# KiCad board SparkFun_GNSS_DAN-F10N_panelized.kicad_pcb (continued)
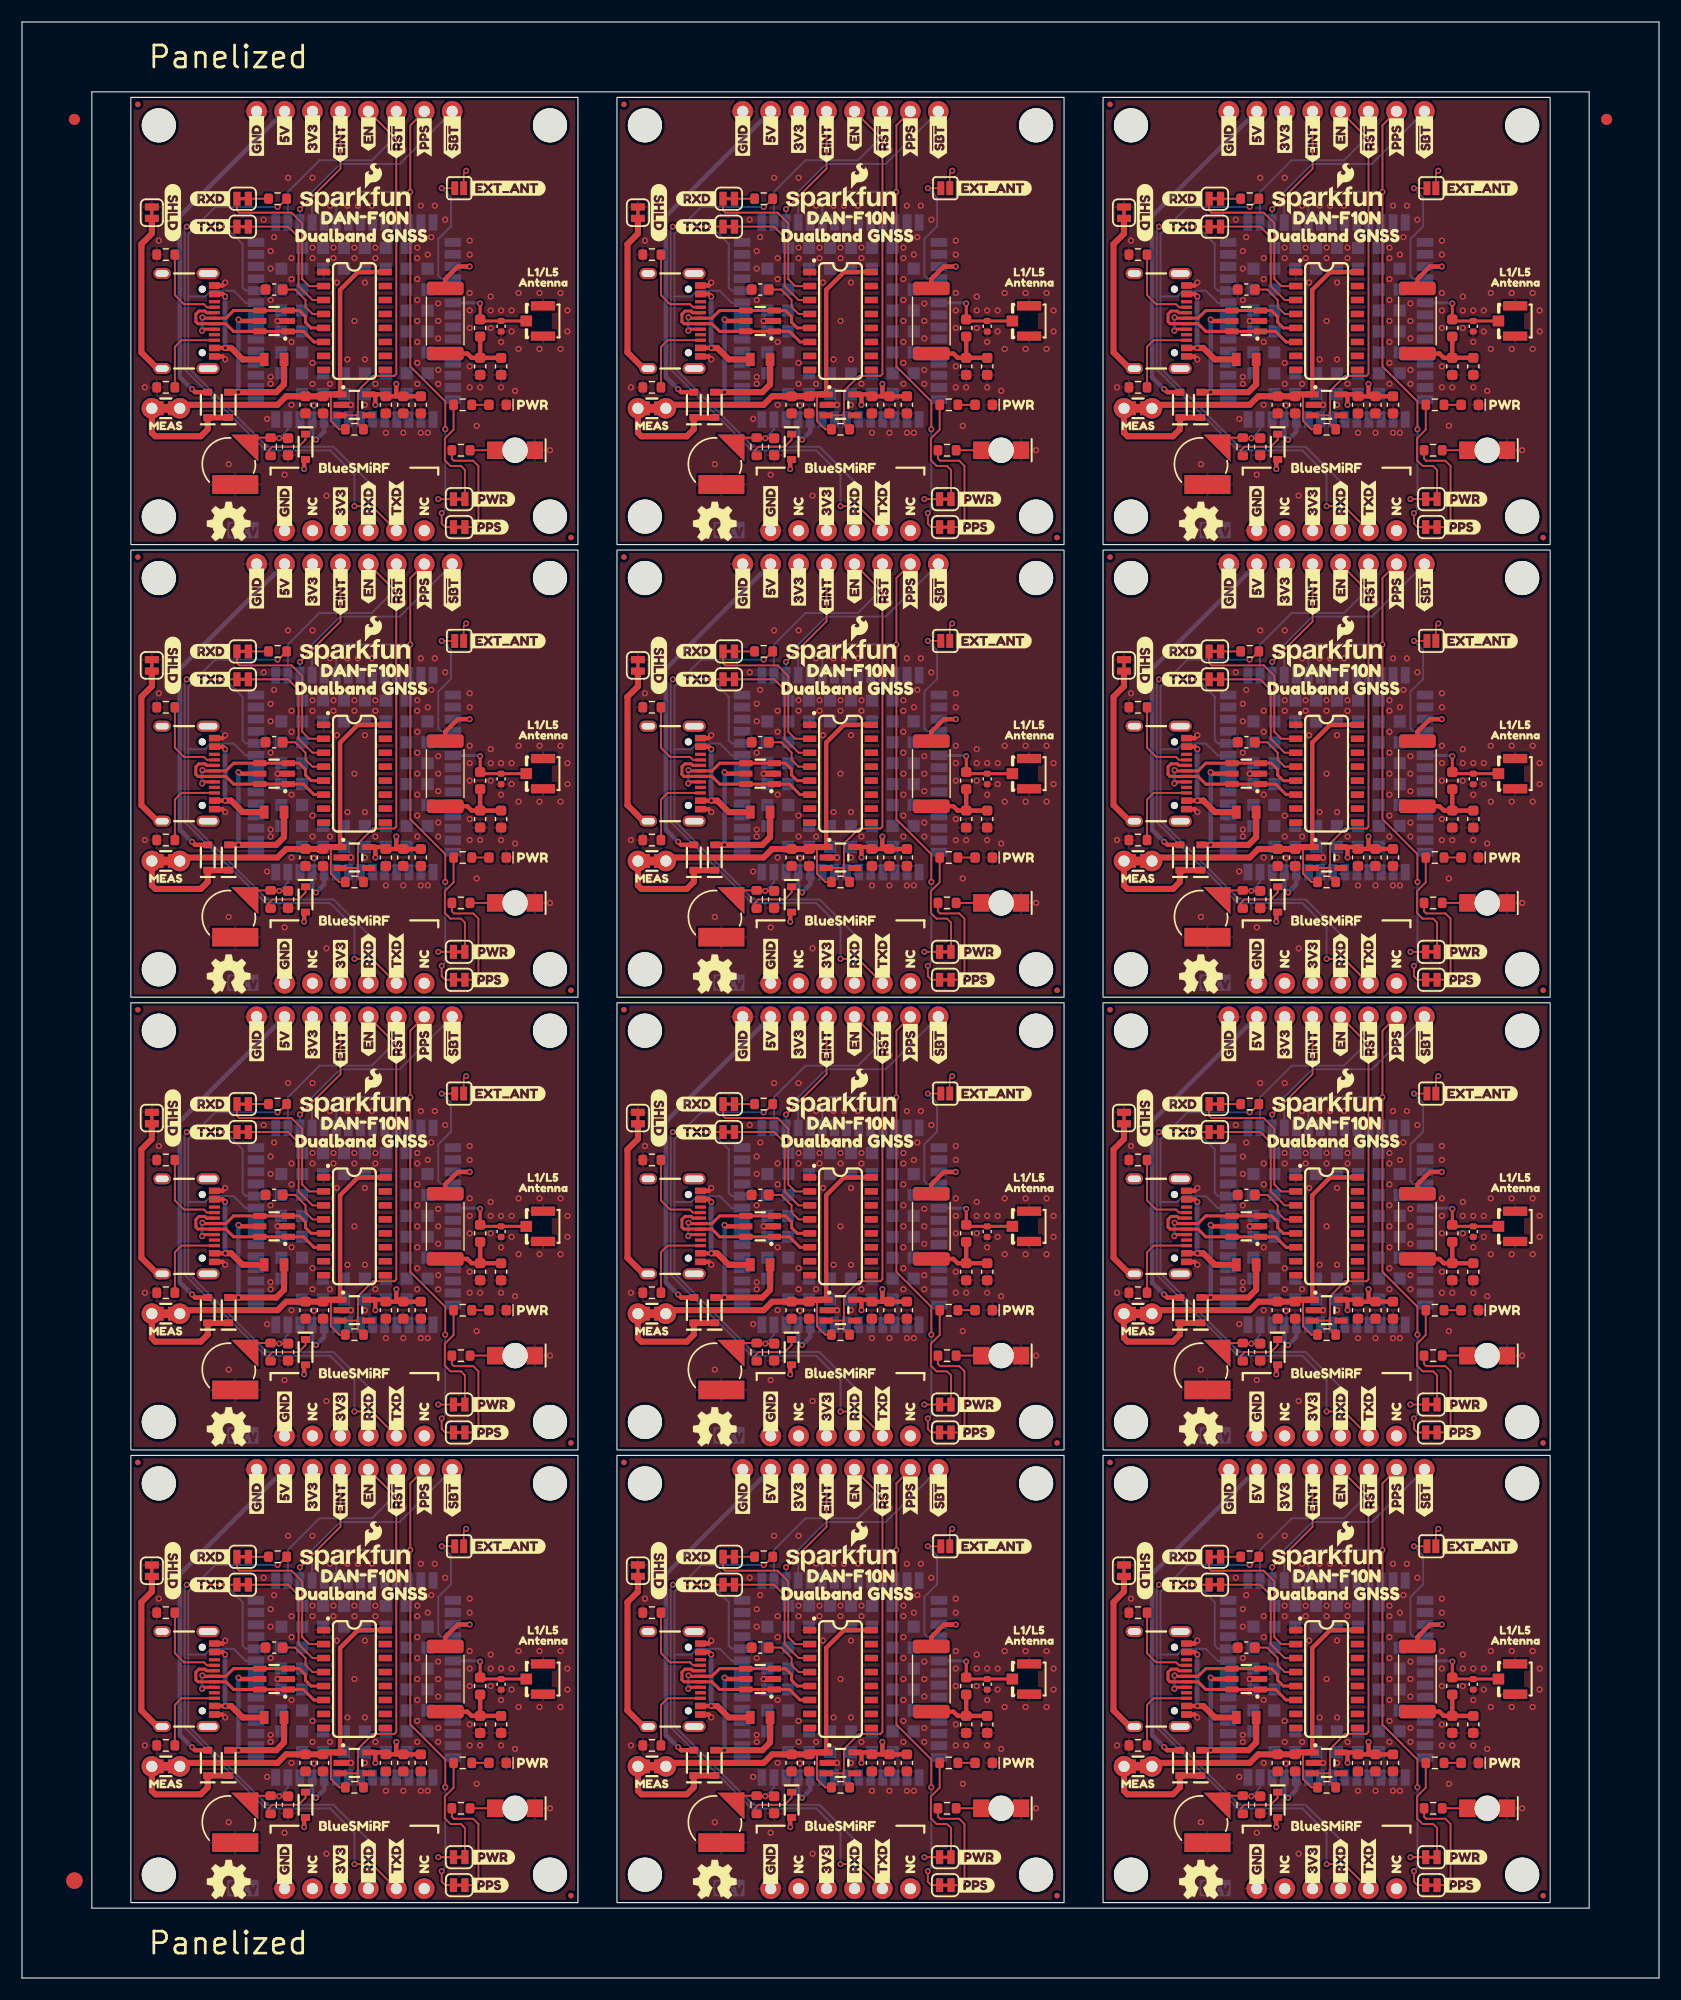
[diagram p0: board, top side]
## Library data of the parts (continued)
R3 R7 = -: Datasheet: https://www.vishay.com/docs/20035/dcrcwe3.pdf; Description: Resistor; PROD_ID: RES-07856; ki_fp_filters: R_*
R3#2-R3#12 R7#2-R7#12 = -: Datasheet: https://www.vishay.com/docs/20035/dcrcwe3.pdf; Description: Resistor; PROD_ID: RES-07856
R4 R4#2-R4#11 = -: Datasheet: https://www.vishay.com/docs/20035/dcrcwe3.pdf; Description: Resistor; PROD_ID: RES-07857
R4#12 = -: Datasheet: https://www.vishay.com/docs/20035/dcrcwe3.pdf; Description: Resistor; PROD_ID: RES-07857; ki_fp_filters: R_*
R5 R5#2-R5#11 = -: Datasheet: https://www.vishay.com/docs/20035/dcrcwe3.pdf; Description: Resistor; PROD_ID: RES-00818
R5#12 = -: Datasheet: https://www.vishay.com/docs/20035/dcrcwe3.pdf; Description: Resistor; PROD_ID: RES-00818; ki_fp_filters: R_*
R6 R6#3-R6#12 = -: Datasheet: https://www.seielect.com/catalog/sei-rmcf_rmcp.pdf; Description: Resistor; PROD_ID: RES-25932; Power: 1W
R6#2 = -: Datasheet: https://www.seielect.com/catalog/sei-rmcf_rmcp.pdf; Description: Resistor; PROD_ID: RES-25932; Power: 1W; ki_fp_filters: R_*
R12 R12#2-R12#11 = -: Datasheet: https://www.vishay.com/docs/20035/dcrcwe3.pdf; Description: Resistor; PROD_ID: RES-07828
R12#12 = -: Datasheet: https://www.vishay.com/docs/20035/dcrcwe3.pdf; Description: Resistor; PROD_ID: RES-07828; ki_fp_filters: R_*
ST1 ST2#12 ST3#3 ST4#12 = -: Description: Drill holes for mechanically mounting via screws, standoffs, etc.; ki_fp_filters: Fiducial*
ST1#2-ST1#12 ST2 ST2#2-ST2#11 ST3 ST3#2 ST3#4-ST3#12 ST4 ST4#2-ST4#11 = -: Description: Drill holes for mechanically mounting via screws, standoffs, etc.
U1 = -: Datasheet: https://www.diodes.com/assets/Datasheets/DT1042-04SO.pdf; Description: Very low capacitance ESD protection diode, 4 data-line, SOT-23-6; PROD_ID: IC-13538; Rating: 5VWM/9VC; ki_fp_filters: SOT?23*
U1#2-U1#12 = -: Datasheet: https://www.diodes.com/assets/Datasheets/DT1042-04SO.pdf; Description: Very low capacitance ESD protection diode, 4 data-line, SOT-23-6; PROD_ID: IC-13538; Rating: 5VWM/9VC
U3 = -: Datasheet: https://www.richtek.com/SaveDownload.aspx?specid=RT9080; Description: 600mA low dropout linear regulator, with enable pin, 3.8V-6V input voltage range, 3.3V fixed positive output, SOT-23-5; PROD_ID: VREG-19034; VMax: 5.5V; Imax: 600mA; Iq: 4µA; IMax: 600mA; ki_fp_filters: SOT?23?5*
U3#2-U3#12 = -: Datasheet: https://www.richtek.com/SaveDownload.aspx?specid=RT9080; Description: 600mA low dropout linear regulator, with enable pin, 3.8V-6V input voltage range, 3.3V fixed positive output, SOT-23-5; PROD_ID: VREG-19034; VMax: 5.5V; Imax: 600mA; Iq: 4µA; IMax: 600mA
U4 = -: Datasheet: https://datasheet.lcsc.com/szlcsc/Jiangsu-Qin-Heng-CH340C_C84681.pdf; Description: USB serial converter, UART, SOIC-16; PROD_ID: IC-14038; ki_fp_filters: SOIC*3.9x9.9mm*P1.27mm*
U4#2-U4#12 = -: Datasheet: https://datasheet.lcsc.com/szlcsc/Jiangsu-Qin-Heng-CH340C_C84681.pdf; Description: USB serial converter, UART, SOIC-16; PROD_ID: IC-14038
U6 U6#2-U6#12 = -: Description: u-blox Dualband L1/L5 GNSS Receiver; PROD_ID: IC-25933

## Footprints (pads in the part's own frame, mm; a bottom-side part is the same pattern mirrored in y, then rotated)
1x06
  round 1.88 hole 1.016: 1(0,0) 2(2.54,0) 3(5.08,0) 4(7.62,0) 5(10.16,0) 6(12.7,0)
1x08
  round 1.88 hole 1.016: 1(0,0) 2(2.54,0) 3(5.08,0) 4(7.62,0) 5(10.16,0) 6(12.7,0) 7(15.24,0) 8(17.78,0)
0805
  rect 0.8x1.2 smd: 1(-0.9,0) 2(0.9,0)
C_0402_1005Metric
  rrect 0.56x0.62 smd: 1(-0.48,0) 2(0.48,0)
C_0603_1608Metric
  rrect 0.9x0.95 smd: 1(-0.775,0) 2(0.775,0)
DAN-F10N
  rect 1.5x0.8 smd: 1(-8.95,7.15) 2(-8.95,6.05) 3(-8.95,4.95) 4(-8.95,3.85) 5(-8.95,2.75) 6(-8.95,1.65) 7(-8.95,0.55) 8(-8.95,-0.55) 9(-8.95,-1.65) 10(-8.95,-2.75) 11(-8.95,-3.85) 12(-8.95,-4.95) 13(-8.95,-6.05) 14(-8.95,-7.15) 29(8.95,-7.15) 30(8.95,-6.05) 31(8.95,-4.95) 32(8.95,-3.85) 33(8.95,-2.75) 34(8.95,-1.65) 35(8.95,-0.55) 36(8.95,0.55) 37(8.95,1.65) 38(8.95,2.75) 39(8.95,3.85) 40(8.95,4.95) 41(8.95,6.05) 42(8.95,7.15)
  rect 0.8x1.5 smd: 15(-7.15,-8.95) 16(-6.05,-8.95) 17(-4.95,-8.95) 18(-3.85,-8.95) 19(-2.75,-8.95) 20(-1.65,-8.95) 21(-0.55,-8.95) 22(0.55,-8.95) 23(1.65,-8.95) 24(2.75,-8.95) 25(3.85,-8.95) 26(4.95,-8.95) 27(6.05,-8.95) 28(7.15,-8.95) 43(7.15,8.95) 44(6.05,8.95) 45(4.95,8.95) 46(3.85,8.95) 47(2.75,8.95) 48(1.65,8.95) 49(0.55,8.95) 50(-0.55,8.95) 51(-1.65,8.95) 52(-2.75,8.95) 53(-3.85,8.95) 54(-4.95,8.95) 55(-6.05,8.95) 56(-7.15,8.95)
  rect 1.1x1.1 smd: 57(-6.65,-4.75) 57(-6.65,-2.85) 57(-6.65,-0.95) 57(-6.65,0.95) 57(-6.65,2.85) 57(-6.65,4.75) 57(-4.75,-6.65) 57(-4.75,-4.75) 57(-4.75,-2.85) 57(-4.75,-0.95) 57(-4.75,0.95) 57(-4.75,2.85) 57(-4.75,4.75) 57(-4.75,6.65) 57(-2.85,-6.65) 57(-2.85,-4.75) 57(-2.85,4.75) 57(-2.85,6.65) 57(-0.95,-6.65) 57(-0.95,-4.75) 57(-0.95,4.75) 57(-0.95,6.65) 57(0.95,-6.65) 57(0.95,-4.75) 57(0.95,4.75) 57(0.95,6.65) 57(2.85,-6.65) 57(2.85,-4.75) 57(2.85,4.75) 57(2.85,6.65) 57(4.75,-6.65) 57(4.75,-4.75) 57(4.75,-2.85) 57(4.75,-0.95) 57(4.75,0.95) 57(4.75,2.85) 57(4.75,4.75) 57(4.75,6.65) 57(6.65,-4.75) 57(6.65,-2.85) 57(6.65,-0.95) 57(6.65,0.95) 57(6.65,2.85) 57(6.65,4.75)
Fiducial_0.5mm_Mask1mm
  round 0.5 smd: (0,0)
Fiducial_1.5mm_Mask3mm
  round 1.5 smd: (0,0)
Fiducial_1mm_Mask3mm
  round 1 smd: (0,0)
Jumper_2_NC_Trace
  rect 0.66x1.27 smd: 1(-0.521,0) 2(0.521,0)
Jumper_2_NO
  rect 0.635x1.27 smd: 1(-0.406,0) 2(0.406,0)
Jumper_2_PTH_SMD_Combo-NC
  round 1.88 hole 1.016: 1(-1.27,0) 2(1.27,0)
  rect 0.635x1.27 smd: 1(-0.508,0) 2(0.508,0)
LED_0603_1608Metric_Red
  rrect 0.875x0.95 smd: 1(-0.787,0) 2(0.787,0)
LED_1206_Bottom_Green
  round 2.3 hole 2.3 unplated: (0,0)
  rect 1.5x1.6 smd: 1(1.8,0) 2(-1.8,0)
ML414H_IV01E
  custom 2.485x2.485 smd: +(2.05,2.152)
  rect 4.2x1.7 smd: -(0.6,-1.85)
R_0603_1608Metric
  rrect 0.8x0.95 smd: 1(-0.825,0) 2(0.825,0)
R_2512_6332Metric
  rrect 1.225x3.35 smd: 1(-2.962,0) 2(2.962,0)
SO-16
  rect 1.2x0.6 smd: 1(-2.8,4.445) 2(-2.8,3.175) 3(-2.8,1.905) 4(-2.8,0.635) 5(-2.8,-0.635) 6(-2.8,-1.905) 7(-2.8,-3.175) 8(-2.8,-4.445) 9(2.8,-4.445) 10(2.8,-3.175) 11(2.8,-1.905) 12(2.8,-0.635) 13(2.8,0.635) 14(2.8,1.905) 15(2.8,3.175) 16(2.8,4.445)
SOD-323
  rect 0.63x0.83 smd: 1(-1.15,0) 2(1.15,0)
SOT23-5
  rect 1.2x0.55 smd: 1(-1.3,0.95) 2(-1.3,0) 3(-1.3,-0.95) 4(1.3,-0.95) 5(1.3,0.95)
SOT23-6
  rect 1.2x0.55 smd: 1(-1.3,0.95) 2(-1.3,0) 3(-1.3,-0.95) 4(1.3,-0.95) 5(1.3,0) 6(1.3,0.95)
Standoff
  round 3.1 hole 3.1 unplated: (0,0)
U.FL
  rect 1.05x1 smd: 1(1.525,0)
  rect 2.2x0.85 smd: 2(0,1.375) 2(0,-1.375)
USB-C_16
  round 0.65 hole 0.65 unplated: (-2.89,-1.445) (2.89,-1.445)
  rect 0.3x1 smd: A5(-1.25,-0.34) A6(-0.25,-0.34) A7(0.25,-0.34) A8(1.25,-0.34) B5(1.75,-0.34) B6(0.75,-0.34) B7(-0.75,-0.34) B8(-1.75,-0.34)
  rect 0.6x1 smd: GND(-3.225,-0.34) GND(3.225,-0.34) VBUS(-2.45,-0.34) VBUS(2.45,-0.34)
  oval 1x1.6 hole 0.6x1.2: NC1(-4.318,-5.095) S(4.318,-5.095)
  oval 1x2.1 hole 0.6x1.7: NC2(-4.318,-0.915) NC3(4.318,-0.915)

## Nets
3.3V: C15.1 C15#2.1 C15#3.1 C15#4.1 C15#5.1 C15#6.1 C15#7.1 C15#8.1 C15#9.1 C15#10.1 C15#11.1 C15#12.1 C16.1 C16#2.1 C16#3.1 C16#4.1 C16#5.1 C16#6.1 C16#7.1 C16#8.1 C16#9.1 C16#10.1 C16#11.1 C16#12.1 C17.1 C17#2.1 C17#3.1 C17#4.1 C17#5.1 C17#6.1 C17#7.1 C17#8.1 C17#9.1 C17#10.1 C17#11.1 C17#12.1 D5.2 D5#2.2 D5#3.2 D5#4.2 D5#5.2 D5#6.2 D5#7.2 D5#8.2 D5#9.2 D5#10.2 D5#11.2 D5#12.2 J2.4 J2#2.4 J2#3.4 J2#4.4 J2#5.4 J2#6.4 J2#7.4 J2#8.4 J2#9.4 J2#10.4 J2#11.4 J2#12.4 J5.6 J5#2.6 J5#3.6 J5#4.6 J5#5.6 J5#6.6 J5#7.6 J5#8.6 J5#9.6 J5#10.6 J5#11.6 J5#12.6 JP1.1 JP1#2.1 JP1#3.1 JP1#4.1 JP1#5.1 JP1#6.1 JP1#7.1 JP1#8.1 JP1#9.1 JP1#10.1 JP1#11.1 JP1#12.1 JP2.2 JP2#2.2 JP2#3.2 JP2#4.2 JP2#5.2 JP2#6.2 JP2#7.2 JP2#8.2 JP2#9.2 JP2#10.2 JP2#11.2 JP2#12.2 U3.5 U3#2.5 U3#3.5 U3#4.5 U3#5.5 U3#6.5 U3#7.5 U3#8.5 U3#9.5 U3#10.5 U3#11.5 U3#12.5 U6.52 U6.53 U6#2.52 U6#2.53 U6#3.52 U6#3.53 U6#4.52 U6#4.53 U6#5.52 U6#5.53 U6#6.52 U6#6.53 U6#7.52 U6#7.53 U6#8.52 U6#8.53 U6#9.52 U6#9.53 U6#10.52 U6#10.53 U6#11.52 U6#11.53 U6#12.52 U6#12.53
3V3_EN: J5.4 J5#2.4 J5#3.4 J5#4.4 J5#5.4 J5#6.4 J5#7.4 J5#8.4 J5#9.4 J5#10.4 J5#11.4 J5#12.4 R12.1 R12#2.1 R12#3.1 R12#4.1 R12#5.1 R12#6.1 R12#7.1 R12#8.1 R12#9.1 R12#10.1 R12#11.1 R12#12.1 U3.3 U3#2.3 U3#3.3 U3#4.3 U3#5.3 U3#6.3 U3#7.3 U3#8.3 U3#9.3 U3#10.3 U3#11.3 U3#12.3
5V: D3.2 D3#2.2 D3#3.2 D3#4.2 D3#5.2 D3#6.2 D3#7.2 D3#8.2 D3#9.2 D3#10.2 D3#11.2 D3#12.2 J5.7 J5#2.7 J5#3.7 J5#4.7 J5#5.7 J5#6.7 J5#7.7 J5#8.7 J5#9.7 J5#10.7 J5#11.7 J5#12.7
GND: BT1.- BT1#2.- BT1#3.- BT1#4.- BT1#5.- BT1#6.- BT1#7.- BT1#8.- BT1#9.- BT1#10.- BT1#11.- BT1#12.- C1.2 C1#2.2 C1#3.2 C1#4.2 C1#5.2 C1#6.2 C1#7.2 C1#8.2 C1#9.2 C1#10.2 C1#11.2 C1#12.2 C2.2 C2#2.2 C2#3.2 C2#4.2 C2#5.2 C2#6.2 C2#7.2 C2#8.2 C2#9.2 C2#10.2 C2#11.2 C2#12.2 C7.2 C7#2.2 C7#3.2 C7#4.2 C7#5.2 C7#6.2 C7#7.2 C7#8.2 C7#9.2 C7#10.2 C7#11.2 C7#12.2 C9.2 C9#2.2 C9#3.2 C9#4.2 C9#5.2 C9#6.2 C9#7.2 C9#8.2 C9#9.2 C9#10.2 C9#11.2 C9#12.2 C10.1 C10#2.1 C10#3.1 C10#4.1 C10#5.1 C10#6.1 C10#7.1 C10#8.1 C10#9.1 C10#10.1 C10#11.1 C10#12.1 C14.2 C14#2.2 C14#3.2 C14#4.2 C14#5.2 C14#6.2 C14#7.2 C14#8.2 C14#9.2 C14#10.2 C14#11.2 C14#12.2 C15.2 C15#2.2 C15#3.2 C15#4.2 C15#5.2 C15#6.2 C15#7.2 C15#8.2 C15#9.2 C15#10.2 C15#11.2 C15#12.2 C16.2 C16#2.2 C16#3.2 C16#4.2 C16#5.2 C16#6.2 C16#7.2 C16#8.2 C16#9.2 C16#10.2 C16#11.2 C16#12.2 C17.2 C17#2.2 C17#3.2 C17#4.2 C17#5.2 C17#6.2 C17#7.2 C17#8.2 C17#9.2 C17#10.2 C17#11.2 C17#12.2 D1.1 D1#2.1 D1#3.1 D1#4.1 D1#5.1 D1#6.1 D1#7.1 D1#8.1 D1#9.1 D1#10.1 D1#11.1 D1#12.1 D4.1 D4#2.1 D4#3.1 D4#4.1 D4#5.1 D4#6.1 D4#7.1 D4#8.1 D4#9.1 D4#10.1 D4#11.1 D4#12.1 D6.1 D6#2.1 D6#3.1 D6#4.1 D6#5.1 D6#6.1 D6#7.1 D6#8.1 D6#9.1 D6#10.1 D6#11.1 D6#12.1 J1.GND J1#2.GND J1#3.GND J1#4.GND J1#5.GND J1#6.GND J1#7.GND J1#8.GND J1#9.GND J1#10.GND J1#11.GND J1#12.GND J2.6 J2#2.6 J2#3.6 J2#4.6 J2#5.6 J2#6.6 J2#7.6 J2#8.6 J2#9.6 J2#10.6 J2#11.6 J2#12.6 J4.2 J4#2.2 J4#3.2 J4#4.2 J4#5.2 J4#6.2 J4#7.2 J4#8.2 J4#9.2 J4#10.2 J4#11.2 J4#12.2 J5.8 J5#2.8 J5#3.8 J5#4.8 J5#5.8 J5#6.8 J5#7.8 J5#8.8 J5#9.8 J5#10.8 J5#11.8 J5#12.8 JP7.1 JP7#2.1 JP7#3.1 JP7#4.1 JP7#5.1 JP7#6.1 JP7#7.1 JP7#8.1 JP7#9.1 JP7#10.1 JP7#11.1 JP7#12.1 R1.1 R1#2.1 R1#3.1 R1#4.1 R1#5.1 R1#6.1 R1#7.1 R1#8.1 R1#9.1 R1#10.1 R1#11.1 R1#12.1 R2.1 R2#2.1 R2#3.1 R2#4.1 R2#5.1 R2#6.1 R2#7.1 R2#8.1 R2#9.1 R2#10.1 R2#11.1 R2#12.1 U1.2 U1#2.2 U1#3.2 U1#4.2 U1#5.2 U1#6.2 U1#7.2 U1#8.2 U1#9.2 U1#10.2 U1#11.2 U1#12.2 U3.2 U3#2.2 U3#3.2 U3#4.2 U3#5.2 U3#6.2 U3#7.2 U3#8.2 U3#9.2 U3#10.2 U3#11.2 U3#12.2 U4.1 U4#2.1 U4#3.1 U4#4.1 U4#5.1 U4#6.1 U4#7.1 U4#8.1 U4#9.1 U4#10.1 U4#11.1 U4#12.1 U6.1 U6.2 U6.3 U6.4 U6.5 U6.6 U6.7 U6.8 U6.13 U6.14 U6.15 U6.19 U6.21 U6.22 U6.23 U6.26 U6.27 U6.28 U6.29 U6.30 U6.33 U6.35 U6.37 U6.38 U6.40 U6.41 U6.42 U6.43 U6.44 U6.47 U6.48 U6.49 U6.50 U6.51 U6.54 U6.56 U6.57 U6#2.1 U6#2.2 U6#2.3 U6#2.4 U6#2.5 U6#2.6 U6#2.7 U6#2.8 U6#2.13 U6#2.14 U6#2.15 U6#2.19 U6#2.21 U6#2.22 U6#2.23 U6#2.26 U6#2.27 U6#2.28 U6#2.29 U6#2.30 U6#2.33 U6#2.35 U6#2.37 U6#2.38 U6#2.40 U6#2.41 U6#2.42 U6#2.43 U6#2.44 U6#2.47 U6#2.48 U6#2.49 U6#2.50 U6#2.51 U6#2.54 U6#2.56 U6#2.57 U6#3.1 U6#3.2 U6#3.3 U6#3.4 U6#3.5 U6#3.6 U6#3.7 U6#3.8 U6#3.13 U6#3.14 U6#3.15 U6#3.19 U6#3.21 U6#3.22 U6#3.23 U6#3.26 U6#3.27 U6#3.28 U6#3.29 U6#3.30 U6#3.33 U6#3.35 U6#3.37 U6#3.38 U6#3.40 U6#3.41 U6#3.42 U6#3.43 U6#3.44 U6#3.47 U6#3.48 U6#3.49 U6#3.50 U6#3.51 U6#3.54 U6#3.56 U6#3.57 U6#4.1 U6#4.2 U6#4.3 U6#4.4 U6#4.5 U6#4.6 U6#4.7 U6#4.8 U6#4.13 U6#4.14 U6#4.15 U6#4.19 U6#4.21 U6#4.22 U6#4.23 U6#4.26 U6#4.27 U6#4.28 U6#4.29 U6#4.30 U6#4.33 U6#4.35 U6#4.37 U6#4.38 U6#4.40 U6#4.41 U6#4.42 U6#4.43 U6#4.44 U6#4.47 U6#4.48 U6#4.49 U6#4.50 U6#4.51 U6#4.54 U6#4.56 U6#4.57 U6#5.1 U6#5.2 U6#5.3 U6#5.4 U6#5.5 U6#5.6 U6#5.7 U6#5.8 U6#5.13 U6#5.14 U6#5.15 U6#5.19 U6#5.21 U6#5.22 U6#5.23 U6#5.26 U6#5.27 U6#5.28 U6#5.29 U6#5.30 U6#5.33 U6#5.35 U6#5.37 U6#5.38 U6#5.40 U6#5.41 U6#5.42 U6#5.43 U6#5.44 U6#5.47 U6#5.48 U6#5.49 U6#5.50 U6#5.51 U6#5.54 U6#5.56 U6#5.57 U6#6.1 U6#6.2 U6#6.3 U6#6.4 U6#6.5 U6#6.6 U6#6.7 U6#6.8 U6#6.13 U6#6.14 U6#6.15 U6#6.19 U6#6.21 U6#6.22 U6#6.23 U6#6.26 U6#6.27 U6#6.28 U6#6.29 U6#6.30 U6#6.33 U6#6.35 U6#6.37 U6#6.38 U6#6.40 U6#6.41 U6#6.42 U6#6.43 U6#6.44 U6#6.47 U6#6.48 U6#6.49 U6#6.50 U6#6.51 U6#6.54 U6#6.56 U6#6.57 U6#7.1 U6#7.2 U6#7.3 U6#7.4 U6#7.5 U6#7.6 U6#7.7 U6#7.8 U6#7.13 U6#7.14 U6#7.15 U6#7.19 U6#7.21 U6#7.22 U6#7.23 U6#7.26 U6#7.27 U6#7.28 U6#7.29 U6#7.30 U6#7.33 U6#7.35 U6#7.37 U6#7.38 U6#7.40 U6#7.41 U6#7.42 U6#7.43 U6#7.44 U6#7.47 U6#7.48 U6#7.49 U6#7.50 U6#7.51 U6#7.54 U6#7.56 U6#7.57 U6#8.1 U6#8.2 U6#8.3 U6#8.4 U6#8.5 U6#8.6 U6#8.7 U6#8.8 U6#8.13 U6#8.14 U6#8.15 U6#8.19 U6#8.21 U6#8.22 U6#8.23 U6#8.26 U6#8.27 U6#8.28 U6#8.29 U6#8.30 U6#8.33 U6#8.35 U6#8.37 U6#8.38 U6#8.40 U6#8.41 U6#8.42 U6#8.43 U6#8.44 U6#8.47 U6#8.48 U6#8.49 U6#8.50 U6#8.51 U6#8.54 U6#8.56 U6#8.57 U6#9.1 U6#9.2 U6#9.3 U6#9.4 U6#9.5 U6#9.6 U6#9.7 U6#9.8 U6#9.13 U6#9.14 U6#9.15 U6#9.19 U6#9.21 U6#9.22 U6#9.23 U6#9.26 U6#9.27 U6#9.28 U6#9.29 U6#9.30 U6#9.33 U6#9.35 U6#9.37 U6#9.38 U6#9.40 U6#9.41 U6#9.42 U6#9.43 U6#9.44 U6#9.47 U6#9.48 U6#9.49 U6#9.50 U6#9.51 U6#9.54 U6#9.56 U6#9.57 U6#10.1 U6#10.2 U6#10.3 U6#10.4 U6#10.5 U6#10.6 U6#10.7 U6#10.8 U6#10.13 U6#10.14 U6#10.15 U6#10.19 U6#10.21 U6#10.22 U6#10.23 U6#10.26 U6#10.27 U6#10.28 U6#10.29 U6#10.30 U6#10.33 U6#10.35 U6#10.37 U6#10.38 U6#10.40 U6#10.41 U6#10.42 U6#10.43 U6#10.44 U6#10.47 U6#10.48 U6#10.49 U6#10.50 U6#10.51 U6#10.54 U6#10.56 U6#10.57 U6#11.1 U6#11.2 U6#11.3 U6#11.4 U6#11.5 U6#11.6 U6#11.7 U6#11.8 U6#11.13 U6#11.14 U6#11.15 U6#11.19 U6#11.21 U6#11.22 U6#11.23 U6#11.26 U6#11.27 U6#11.28 U6#11.29 U6#11.30 U6#11.33 U6#11.35 U6#11.37 U6#11.38 U6#11.40 U6#11.41 U6#11.42 U6#11.43 U6#11.44 U6#11.47 U6#11.48 U6#11.49 U6#11.50 U6#11.51 U6#11.54 U6#11.56 U6#11.57 U6#12.1 U6#12.2 U6#12.3 U6#12.4 U6#12.5 U6#12.6 U6#12.7 U6#12.8 U6#12.13 U6#12.14 U6#12.15 U6#12.19 U6#12.21 U6#12.22 U6#12.23 U6#12.26 U6#12.27 U6#12.28 U6#12.29 U6#12.30 U6#12.33 U6#12.35 U6#12.37 U6#12.38 U6#12.40 U6#12.41 U6#12.42 U6#12.43 U6#12.44 U6#12.47 U6#12.48 U6#12.49 U6#12.50 U6#12.51 U6#12.54 U6#12.56 U6#12.57
VBUS: D2.2 D2#2.2 D2#3.2 D2#4.2 D2#5.2 D2#6.2 D2#7.2 D2#8.2 D2#9.2 D2#10.2 D2#11.2 D2#12.2 F1.1 F1#2.1 F1#3.1 F1#4.1 F1#5.1 F1#6.1 F1#7.1 F1#8.1 F1#9.1 F1#10.1 F1#11.1 F1#12.1 U1.5 U1#2.5 U1#3.5 U1#4.5 U1#5.5 U1#6.5 U1#7.5 U1#8.5 U1#9.5 U1#10.5 U1#11.5 U1#12.5
VCC_RF: R6.1 R6#2.1 R6#3.1 R6#4.1 R6#5.1 R6#6.1 R6#7.1 R6#8.1 R6#9.1 R6#10.1 R6#11.1 R6#12.1 U6.31 U6#2.31 U6#3.31 U6#4.31 U6#5.31 U6#6.31 U6#7.31 U6#8.31 U6#9.31 U6#10.31 U6#11.31 U6#12.31
VDD: C7.1 C7#2.1 C7#3.1 C7#4.1 C7#5.1 C7#6.1 C7#7.1 C7#8.1 C7#9.1 C7#10.1 C7#11.1 C7#12.1 C14.1 C14#2.1 C14#3.1 C14#4.1 C14#5.1 C14#6.1 C14#7.1 C14#8.1 C14#9.1 C14#10.1 C14#11.1 C14#12.1 JP11.2 JP11#2.2 JP11#3.2 JP11#4.2 JP11#5.2 JP11#6.2 JP11#7.2 JP11#8.2 JP11#9.2 JP11#10.2 JP11#11.2 JP11#12.2 R12.2 R12#2.2 R12#3.2 R12#4.2 R12#5.2 R12#6.2 R12#7.2 R12#8.2 R12#9.2 R12#10.2 R12#11.2 R12#12.2 U3.1 U3#2.1 U3#3.1 U3#4.1 U3#5.1 U3#6.1 U3#7.1 U3#8.1 U3#9.1 U3#10.1 U3#11.1 U3#12.1 U4.16 U4#2.16 U4#3.16 U4#4.16 U4#5.16 U4#6.16 U4#7.16 U4#8.16 U4#9.16 U4#10.16 U4#11.16 U4#12.16
ANT_IN: D4.2 D4#2.2 D4#3.2 D4#4.2 D4#5.2 D4#6.2 D4#7.2 D4#8.2 D4#9.2 D4#10.2 D4#11.2 D4#12.2 J4.1 J4#2.1 J4#3.1 J4#4.1 J4#5.1 J4#6.1 J4#7.1 J4#8.1 J4#9.1 J4#10.1 J4#11.1 J4#12.1 L1.2 L1#2.2 L1#3.2 L1#4.2 L1#5.2 L1#6.2 L1#7.2 L1#8.2 L1#9.2 L1#10.2 L1#11.2 L1#12.2 U6.34 U6#2.34 U6#3.34 U6#4.34 U6#5.34 U6#6.34 U6#7.34 U6#8.34 U6#9.34 U6#10.34 U6#11.34 U6#12.34
EXT_ANT: JP1.2 JP1#2.2 JP1#3.2 JP1#4.2 JP1#5.2 JP1#6.2 JP1#7.2 JP1#8.2 JP1#9.2 JP1#10.2 JP1#11.2 JP1#12.2 U6.32 U6#2.32 U6#3.32 U6#4.32 U6#5.32 U6#6.32 U6#7.32 U6#8.32 U6#9.32 U6#10.32 U6#11.32 U6#12.32
EXTINT: J5.5 J5#2.5 J5#3.5 J5#4.5 J5#5.5 J5#6.5 J5#7.5 J5#8.5 J5#9.5 J5#10.5 J5#11.5 J5#12.5 U6.17 U6#2.17 U6#3.17 U6#4.17 U6#5.17 U6#6.17 U6#7.17 U6#8.17 U6#9.17 U6#10.17 U6#11.17 U6#12.17
PPS: J5.2 J5#2.2 J5#3.2 J5#4.2 J5#5.2 J5#6.2 J5#7.2 J5#8.2 J5#9.2 J5#10.2 J5#11.2 J5#12.2 JP3.2 JP3#2.2 JP3#3.2 JP3#4.2 JP3#5.2 JP3#6.2 JP3#7.2 JP3#8.2 JP3#9.2 JP3#10.2 JP3#11.2 JP3#12.2 U6.20 U6#2.20 U6#3.20 U6#4.20 U6#5.20 U6#6.20 U6#7.20 U6#8.20 U6#9.20 U6#10.20 U6#11.20 U6#12.20
RXD: J2.3 J2#2.3 J2#3.3 J2#4.3 J2#5.3 J2#6.3 J2#7.3 J2#8.3 J2#9.3 J2#10.3 J2#11.3 J2#12.3 R3.1 R3#2.1 R3#3.1 R3#4.1 R3#5.1 R3#6.1 R3#7.1 R3#8.1 R3#9.1 R3#10.1 R3#11.1 R3#12.1 U6.9 U6#2.9 U6#3.9 U6#4.9 U6#5.9 U6#6.9 U6#7.9 U6#8.9 U6#9.9 U6#10.9 U6#11.9 U6#12.9
TXD: J2.2 J2#2.2 J2#3.2 J2#4.2 J2#5.2 J2#6.2 J2#7.2 J2#8.2 J2#9.2 J2#10.2 J2#11.2 J2#12.2 JP10.2 JP10#2.2 JP10#3.2 JP10#4.2 JP10#5.2 JP10#6.2 JP10#7.2 JP10#8.2 JP10#9.2 JP10#10.2 JP10#11.2 JP10#12.2 U6.10 U6#2.10 U6#3.10 U6#4.10 U6#5.10 U6#6.10 U6#7.10 U6#8.10 U6#9.10 U6#10.10 U6#11.10 U6#12.10
V_BCKP: BT1.+ BT1#2.+ BT1#3.+ BT1#4.+ BT1#5.+ BT1#6.+ BT1#7.+ BT1#8.+ BT1#9.+ BT1#10.+ BT1#11.+ BT1#12.+ C9.1 C9#2.1 C9#3.1 C9#4.1 C9#5.1 C9#6.1 C9#7.1 C9#8.1 C9#9.1 C9#10.1 C9#11.1 C9#12.1 R7.1 R7#2.1 R7#3.1 R7#4.1 R7#5.1 R7#6.1 R7#7.1 R7#8.1 R7#9.1 R7#10.1 R7#11.1 R7#12.1 U6.55 U6#2.55 U6#3.55 U6#4.55 U6#5.55 U6#6.55 U6#7.55 U6#8.55 U6#9.55 U6#10.55 U6#11.55 U6#12.55
~{RESET}: J5.3 J5#2.3 J5#3.3 J5#4.3 J5#5.3 J5#6.3 J5#7.3 J5#8.3 J5#9.3 J5#10.3 J5#11.3 J5#12.3 U6.16 U6#2.16 U6#3.16 U6#4.16 U6#5.16 U6#6.16 U6#7.16 U6#8.16 U6#9.16 U6#10.16 U6#11.16 U6#12.16
~{SAFEBOOT}: J5.1 J5#2.1 J5#3.1 J5#4.1 J5#5.1 J5#6.1 J5#7.1 J5#8.1 J5#9.1 J5#10.1 J5#11.1 J5#12.1 U6.18 U6#2.18 U6#3.18 U6#4.18 U6#5.18 U6#6.18 U6#7.18 U6#8.18 U6#9.18 U6#10.18 U6#11.18 U6#12.18
Net-(C1-Pad1): C1.1 C1#2.1 C1#3.1 C1#4.1 C1#5.1 C1#6.1 C1#7.1 C1#8.1 C1#9.1 C1#10.1 C1#11.1 C1#12.1 C2.1 C2#2.1 C2#3.1 C2#4.1 C2#5.1 C2#6.1 C2#7.1 C2#8.1 C2#9.1 C2#10.1 C2#11.1 C2#12.1 L1.1 L1#2.1 L1#3.1 L1#4.1 L1#5.1 L1#6.1 L1#7.1 L1#8.1 L1#9.1 L1#10.1 L1#11.1 L1#12.1 R6.2 R6#2.2 R6#3.2 R6#4.2 R6#5.2 R6#6.2 R6#7.2 R6#8.2 R6#9.2 R6#10.2 R6#11.2 R6#12.2
Net-(D1-A): D1.2 D1#2.2 D1#3.2 D1#4.2 D1#5.2 D1#6.2 D1#7.2 D1#8.2 D1#9.2 D1#10.2 D1#11.2 D1#12.2 R4.1 R4#2.1 R4#3.1 R4#4.1 R4#5.1 R4#6.1 R4#7.1 R4#8.1 R4#9.1 R4#10.1 R4#11.1 R4#12.1
Net-(D2-K): D2.1 D2#2.1 D2#3.1 D2#4.1 D2#5.1 D2#6.1 D2#7.1 D2#8.1 D2#9.1 D2#10.1 D2#11.1 D2#12.1 D3.1 D3#2.1 D3#3.1 D3#4.1 D3#5.1 D3#6.1 D3#7.1 D3#8.1 D3#9.1 D3#10.1 D3#11.1 D3#12.1 JP11.1 JP11#2.1 JP11#3.1 JP11#4.1 JP11#5.1 JP11#6.1 JP11#7.1 JP11#8.1 JP11#9.1 JP11#10.1 JP11#11.1 JP11#12.1
Net-(D5-K): D5.1 D5#2.1 D5#3.1 D5#4.1 D5#5.1 D5#6.1 D5#7.1 D5#8.1 D5#9.1 D5#10.1 D5#11.1 D5#12.1 R7.2 R7#2.2 R7#3.2 R7#4.2 R7#5.2 R7#6.2 R7#7.2 R7#8.2 R7#9.2 R7#10.2 R7#11.2 R7#12.2
Net-(D6-A): D6.2 D6#2.2 D6#3.2 D6#4.2 D6#5.2 D6#6.2 D6#7.2 D6#8.2 D6#9.2 D6#10.2 D6#11.2 D6#12.2 R5.1 R5#2.1 R5#3.1 R5#4.1 R5#5.1 R5#6.1 R5#7.1 R5#8.1 R5#9.1 R5#10.1 R5#11.1 R5#12.1
Net-(F1-Pad2): F1.2 F1#2.2 F1#3.2 F1#4.2 F1#5.2 F1#6.2 F1#7.2 F1#8.2 F1#9.2 F1#10.2 F1#11.2 F1#12.2 J1.VBUS J1#2.VBUS J1#3.VBUS J1#4.VBUS J1#5.VBUS J1#6.VBUS J1#7.VBUS J1#8.VBUS J1#9.VBUS J1#10.VBUS J1#11.VBUS J1#12.VBUS
Net-(J1-CC1): J1.A5 J1#2.A5 J1#3.A5 J1#4.A5 J1#5.A5 J1#6.A5 J1#7.A5 J1#8.A5 J1#9.A5 J1#10.A5 J1#11.A5 J1#12.A5 R2.2 R2#2.2 R2#3.2 R2#4.2 R2#5.2 R2#6.2 R2#7.2 R2#8.2 R2#9.2 R2#10.2 R2#11.2 R2#12.2
Net-(J1-CC2): J1.B5 J1#2.B5 J1#3.B5 J1#4.B5 J1#5.B5 J1#6.B5 J1#7.B5 J1#8.B5 J1#9.B5 J1#10.B5 J1#11.B5 J1#12.B5 R1.2 R1#2.2 R1#3.2 R1#4.2 R1#5.2 R1#6.2 R1#7.2 R1#8.2 R1#9.2 R1#10.2 R1#11.2 R1#12.2
Net-(J1-SHIELD): J1.S J1#2.S J1#3.S J1#4.S J1#5.S J1#6.S J1#7.S J1#8.S J1#9.S J1#10.S J1#11.S J1#12.S JP7.2 JP7#2.2 JP7#3.2 JP7#4.2 JP7#5.2 JP7#6.2 JP7#7.2 JP7#8.2 JP7#9.2 JP7#10.2 JP7#11.2 JP7#12.2
Net-(JP2-A): JP2.1 JP2#2.1 JP2#3.1 JP2#4.1 JP2#5.1 JP2#6.1 JP2#7.1 JP2#8.1 JP2#9.1 JP2#10.1 JP2#11.1 JP2#12.1 R4.2 R4#2.2 R4#3.2 R4#4.2 R4#5.2 R4#6.2 R4#7.2 R4#8.2 R4#9.2 R4#10.2 R4#11.2 R4#12.2
Net-(JP3-A): JP3.1 JP3#2.1 JP3#3.1 JP3#4.1 JP3#5.1 JP3#6.1 JP3#7.1 JP3#8.1 JP3#9.1 JP3#10.1 JP3#11.1 JP3#12.1 R5.2 R5#2.2 R5#3.2 R5#4.2 R5#5.2 R5#6.2 R5#7.2 R5#8.2 R5#9.2 R5#10.2 R5#11.2 R5#12.2
Net-(JP9-A): JP9.1 JP9#2.1 JP9#3.1 JP9#4.1 JP9#5.1 JP9#6.1 JP9#7.1 JP9#8.1 JP9#9.1 JP9#10.1 JP9#11.1 JP9#12.1 U4.2 U4#2.2 U4#3.2 U4#4.2 U4#5.2 U4#6.2 U4#7.2 U4#8.2 U4#9.2 U4#10.2 U4#11.2 U4#12.2
Net-(JP9-B): JP9.2 JP9#2.2 JP9#3.2 JP9#4.2 JP9#5.2 JP9#6.2 JP9#7.2 JP9#8.2 JP9#9.2 JP9#10.2 JP9#11.2 JP9#12.2 R3.2 R3#2.2 R3#3.2 R3#4.2 R3#5.2 R3#6.2 R3#7.2 R3#8.2 R3#9.2 R3#10.2 R3#11.2 R3#12.2
Net-(JP10-A): JP10.1 JP10#2.1 JP10#3.1 JP10#4.1 JP10#5.1 JP10#6.1 JP10#7.1 JP10#8.1 JP10#9.1 JP10#10.1 JP10#11.1 JP10#12.1 U4.3 U4#2.3 U4#3.3 U4#4.3 U4#5.3 U4#6.3 U4#7.3 U4#8.3 U4#9.3 U4#10.3 U4#11.3 U4#12.3
Net-(U1-I/O1): J1.A7 J1.B7 J1#2.A7 J1#2.B7 J1#3.A7 J1#3.B7 J1#4.A7 J1#4.B7 J1#5.A7 J1#5.B7 J1#6.A7 J1#6.B7 J1#7.A7 J1#7.B7 J1#8.A7 J1#8.B7 J1#9.A7 J1#9.B7 J1#10.A7 J1#10.B7 J1#11.A7 J1#11.B7 J1#12.A7 J1#12.B7 U1.1 U1.6 U1#2.1 U1#2.6 U1#3.1 U1#3.6 U1#4.1 U1#4.6 U1#5.1 U1#5.6 U1#6.1 U1#6.6 U1#7.1 U1#7.6 U1#8.1 U1#8.6 U1#9.1 U1#9.6 U1#10.1 U1#10.6 U1#11.1 U1#11.6 U1#12.1 U1#12.6 U4.6 U4#2.6 U4#3.6 U4#4.6 U4#5.6 U4#6.6 U4#7.6 U4#8.6 U4#9.6 U4#10.6 U4#11.6 U4#12.6
Net-(U1-I/O2): J1.A6 J1.B6 J1#2.A6 J1#2.B6 J1#3.A6 J1#3.B6 J1#4.A6 J1#4.B6 J1#5.A6 J1#5.B6 J1#6.A6 J1#6.B6 J1#7.A6 J1#7.B6 J1#8.A6 J1#8.B6 J1#9.A6 J1#9.B6 J1#10.A6 J1#10.B6 J1#11.A6 J1#11.B6 J1#12.A6 J1#12.B6 U1.3 U1.4 U1#2.3 U1#2.4 U1#3.3 U1#3.4 U1#4.3 U1#4.4 U1#5.3 U1#5.4 U1#6.3 U1#6.4 U1#7.3 U1#7.4 U1#8.3 U1#8.4 U1#9.3 U1#9.4 U1#10.3 U1#10.4 U1#11.3 U1#11.4 U1#12.3 U1#12.4 U4.5 U4#2.5 U4#3.5 U4#4.5 U4#5.5 U4#6.5 U4#7.5 U4#8.5 U4#9.5 U4#10.5 U4#11.5 U4#12.5
Net-(U4-V3): C10.2 C10#2.2 C10#3.2 C10#4.2 C10#5.2 C10#6.2 C10#7.2 C10#8.2 C10#9.2 C10#10.2 C10#11.2 C10#12.2 U4.4 U4#2.4 U4#3.4 U4#4.4 U4#5.4 U4#6.4 U4#7.4 U4#8.4 U4#9.4 U4#10.4 U4#11.4 U4#12.4

Pads without a net: J1 A8 B8 NC1 NC2 NC3; J1#2 A8 B8 NC1 NC2 NC3; J1#3 A8 B8 NC1 NC2 NC3; J1#4 A8 B8 NC1 NC2 NC3; J1#5 A8 B8 NC1 NC2 NC3; J1#6 A8 B8 NC1 NC2 NC3; J1#7 A8 B8 NC1 NC2 NC3; J1#8 A8 B8 NC1 NC2 NC3; J1#9 A8 B8 NC1 NC2 NC3; J1#10 A8 B8 NC1 NC2 NC3; J1#11 A8 B8 NC1 NC2 NC3; J1#12 A8 B8 NC1 NC2 NC3; J2 1 5; J2#2 1 5; J2#3 1 5; J2#4 1 5; J2#5 1 5; J2#6 1 5; J2#7 1 5; J2#8 1 5; J2#9 1 5; J2#10 1 5; J2#11 1 5; J2#12 1 5; U3 4; U3#2 4; U3#3 4; U3#4 4; U3#5 4; U3#6 4; U3#7 4; U3#8 4; U3#9 4; U3#10 4; U3#11 4; U3#12 4; U4 7 8 9 10 11 12 13 14 15; U4#2 7 8 9 10 11 12 13 14 15; U4#3 7 8 9 10 11 12 13 14 15; U4#4 7 8 9 10 11 12 13 14 15; U4#5 7 8 9 10 11 12 13 14 15; U4#6 7 8 9 10 11 12 13 14 15; U4#7 7 8 9 10 11 12 13 14 15; U4#8 7 8 9 10 11 12 13 14 15; U4#9 7 8 9 10 11 12 13 14 15; U4#10 7 8 9 10 11 12 13 14 15; U4#11 7 8 9 10 11 12 13 14 15; U4#12 7 8 9 10 11 12 13 14 15; U6 11 12 24 25 36 39 45 46; U6#2 11 12 24 25 36 39 45 46; U6#3 11 12 24 25 36 39 45 46; U6#4 11 12 24 25 36 39 45 46; U6#5 11 12 24 25 36 39 45 46; U6#6 11 12 24 25 36 39 45 46; U6#7 11 12 24 25 36 39 45 46; U6#8 11 12 24 25 36 39 45 46; U6#9 11 12 24 25 36 39 45 46; U6#10 11 12 24 25 36 39 45 46; U6#11 11 12 24 25 36 39 45 46; U6#12 11 12 24 25 36 39 45 46

## Via types
v1: diameter 0.56, hole 0.3, Top to Bottom, 1452 vias

## Routing (per net, layer and track width the routed paths; a pad name or vN(x,y) marks a point on that pad's centre or on a via; arc(x,y) is an arc through that point)
3.3V: length 180.4
  Top w0.152: v1(40.38,123.1) 40.15,122.87 JP1#3.1 ; v1(40.38,81.96) 40.15,81.73 JP1#4.1 ; JP1#10.1 128.53,81.73 v1(128.75,81.96) ; v1(40.38,40.82) 40.15,40.59 JP1.1 ; JP1#11.1 128.53,40.59 v1(128.75,40.82) ; v1(84.57,40.82) 84.34,40.59 JP1#6.1 ; JP1#8.1 84.34,122.87 v1(84.57,123.1) ; JP1#12.1 128.53,164.01 v1(128.75,164.24) ; v1(40.38,164.24) 40.15,164.01 JP1#5.1 ; JP1#9.1 128.53,122.87 v1(128.75,123.1) ; JP1#7.1 84.34,81.73 v1(84.57,81.96) ; v1(84.57,164.24) 84.34,164.01 JP1#2.1
  Top w0.178: JP2#5.2 v1(82.03,10.98) ; JP2#8.2 v1(126.21,52.12) ; JP2#9.2 v1(82.03,134.4) ; JP2#10.2 v1(126.21,134.4) ; JP2.2 v1(37.84,10.98) ; JP2#4.2 v1(37.84,134.4) ; JP2#7.2 v1(126.21,93.26) ; JP2#3.2 v1(37.84,52.12) ; JP2#11.2 v1(82.03,93.26) ; JP2#12.2 v1(126.21,10.98) ; JP2#6.2 v1(37.84,93.26) ; JP2#2.2 v1(82.03,52.12)
  Top w0.406: 34.03,143.75 C15#4.1 C17#2.1 ; 34.03,143.75 v1(34.03,144.88) ; 34.03,143.75 C16#3.1 32.9,143.92 32.12,143.92 ; 78.22,143.75 v1(78.22,144.88) ; 78.22,143.75 C16#9.1 77.09,143.92 76.31,143.92 ; 78.22,143.75 C15#9.1 C17#4.1 ; v1(25.65,54.85) 25.65,55.6 D5#3.2 ; D5#8.2 114.02,96.74 v1(114.02,95.99) ; 32.12,143.92 v1(32.12,142.97) ; 32.12,143.92 U3#8.5 ; 120.5,61.64 121.28,61.64 C16#8.1 122.4,61.47 ; 120.5,61.64 U3#3.5 ; 120.5,61.64 v1(120.5,60.69) ; 122.4,143.75 v1(122.4,144.88) ; 122.4,143.75 C15#8.1 C17#9.1 ; 122.4,143.75 C16#11.1 121.28,143.92 120.5,143.92 ; 76.31,143.92 v1(76.31,142.97) ; 76.31,143.92 U3#5.5 ; v1(25.65,137.13) 25.65,137.88 D5#2.2 ; 76.31,20.5 77.09,20.5 C16#5.1 78.22,20.33 ; 76.31,20.5 v1(76.31,19.55) ; 76.31,20.5 U3#6.5 ; 120.5,20.5 121.28,20.5 C16#7.1 122.4,20.33 ; 120.5,20.5 U3#4.5 ; 120.5,20.5 v1(120.5,19.55) ; 34.03,102.61 v1(34.03,103.73) ; 34.03,102.61 C15#7.1 C17#5.1 ; 34.03,102.61 C16#4.1 32.9,102.78 32.12,102.78 ; 78.22,102.61 v1(78.22,103.73) ; 78.22,102.61 C15#2.1 C17#8.1 ; 78.22,102.61 C16#10.1 77.09,102.78 76.31,102.78 ; v1(114.02,54.85) 114.02,55.6 D5#4.2 ; v1(114.02,13.71) 114.02,14.46 D5#11.2 ; 32.12,102.78 v1(32.12,101.83) ; 32.12,102.78 U3#7.5 ; U3#9.5 32.12,61.64 ; 32.12,61.64 32.9,61.64 C16#2.1 34.03,61.47 ; 32.12,61.64 v1(32.12,60.69) ; v1(69.84,137.13) 69.84,137.88 D5#6.2 ; 78.22,61.47 C16#6.1 77.09,61.64 76.31,61.64 ; 78.22,61.47 C15#6.1 C17#7.1 ; 78.22,61.47 v1(78.22,62.6) ; U3#11.5 120.5,143.92 ; 120.5,143.92 v1(120.5,142.97) ; U3#2.5 76.31,61.64 ; 76.31,61.64 v1(76.31,60.69) ; 122.4,20.33 C15#10.1 C17#11.1 ; 122.4,20.33 v1(122.4,21.45) ; 78.22,20.33 C15#5.1 C17#6.1 ; 78.22,20.33 v1(78.22,21.45) ; C17#10.1 C15#11.1 122.4,102.61 ; 34.03,20.33 v1(34.03,21.45) ; 34.03,20.33 C15.1 C17.1 ; 34.03,20.33 C16.1 32.9,20.5 32.12,20.5 ; v1(69.84,95.99) 69.84,96.74 D5#10.2 ; D5#12.2 25.65,14.46 v1(25.65,13.71) ; 34.03,61.47 C15#3.1 C17#3.1 ; 34.03,61.47 v1(34.03,62.6) ; v1(25.65,95.99) 25.65,96.74 D5.2 ; 122.4,61.47 v1(122.4,62.6) ; 122.4,61.47 C15#12.1 C17#12.1 ; D5#7.2 69.84,14.46 v1(69.84,13.71) ; 120.5,102.78 121.28,102.78 C16#12.1 122.4,102.61 ; 120.5,102.78 v1(120.5,101.83) ; 120.5,102.78 U3#12.5 ; 122.4,102.61 v1(122.4,103.73) ; 32.12,20.5 v1(32.12,19.55) ; 32.12,20.5 U3.5 ; U3#10.5 76.31,102.78 ; 76.31,102.78 v1(76.31,101.83) ; D5#5.2 114.02,137.88 v1(114.02,137.13) ; v1(69.84,54.85) 69.84,55.6 D5#9.2
  Bottom w0.406: U6#7.52 71.66,58.26 v1(70.91,57.52) 70.56,57.87 U6#7.53 ; U6#9.52 115.84,17.12 v1(115.1,16.38) 114.74,16.73 U6#9.53 ; U6#10.52 115.84,58.26 v1(115.1,57.52) 114.74,57.87 U6#10.53 ; U6.52 27.47,17.12 v1(26.73,16.38) 26.37,16.73 U6.53 ; U6#6.52 115.84,99.4 v1(115.1,98.66) 114.74,99.01 U6#6.53 ; U6#5.53 26.37,57.87 v1(26.73,57.52) 27.47,58.26 U6#5.52 ; U6#3.53 70.56,16.73 v1(70.91,16.38) 71.66,17.12 U6#3.52 ; U6#8.53 70.56,140.15 v1(70.91,139.8) 71.66,140.54 U6#8.52 ; U6#4.53 26.37,140.15 v1(26.73,139.8) 27.47,140.54 U6#4.52 ; U6#12.53 70.56,99.01 v1(70.91,98.66) 71.66,99.4 U6#12.52 ; U6#2.52 27.47,99.4 v1(26.73,98.66) 26.37,99.01 U6#2.53 ; U6#11.53 114.74,140.15 v1(115.1,139.8) 115.84,140.54 U6#11.52
